# Altium PCB motherboard 2 layer try.PcbDoc (part 1 of 2) (continued)
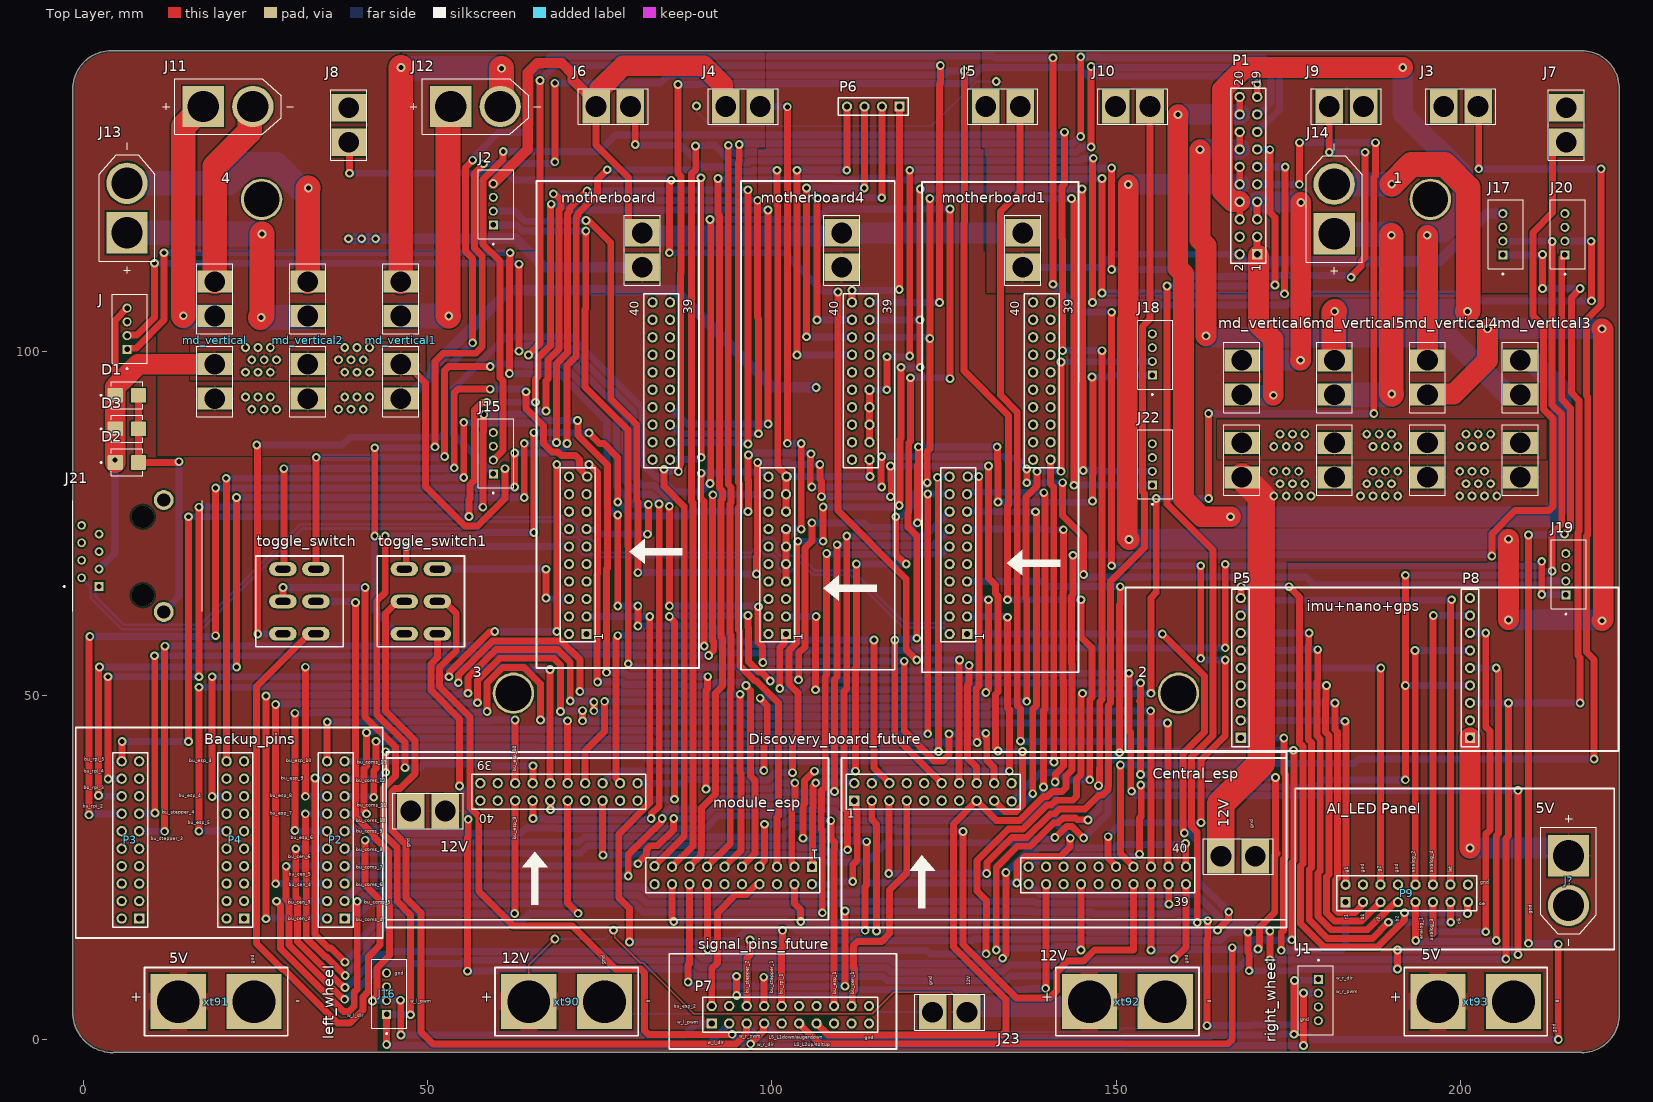
[diagram p0: Top Layer view]
## Nets (pads, with @x,y where several pads share a name; then routed paths per layer and width w, separated by ;. In a path a pad name is that pad's centre, name@x,y a point inside that pad or via, vN(x,y) a via of type N, cw(c..) or ccw(c..) an arc to the next point about the centre after c; other vN are vias at no path point) (continued)
NetJ8_1: Central_esp.14 J8.1 | length 171.6
  Top Layer w1: J8.1@38.506,130.373 38.608,130.271 v1(38.608,125.857) ; v1(85.09,114.3) 85.09,124.498 85.368,124.776 v1(85.368,124.849) ; v1(109.601,108.585) 109.601,76.835 119.507,66.929 119.507,56.65 v1(121.031,55.126) ; Central_esp.14@127.203,37.229 127.175,37.257 127.175,54.974 127.254,55.053 v1(127.254,55.126)
  Bottom Layer w1: v1(38.608,125.857) 61.484,125.857 62.492,124.849 v1(85.368,124.849) ; v1(85.09,114.3) 101.854,114.3 107.517,108.637 109.549,108.637 v1(109.601,108.585) ; v1(121.031,55.126) v1(127.254,55.126)
NetJ9_1: J9.1 motherboard4.23 motherboard4.25 motherboard4.27 motherboard4.29 | length 155.7
  Top Layer w1: motherboard4.23@114.174,86.779 motherboard4.25@114.174,89.319 motherboard4.27@114.174,91.859 motherboard4.29@114.174,94.399 ; v1(116.675,94.399) 116.694,94.418 116.694,99.168 v1(116.713,99.187) ; v1(120.015,99.314) v1(120.015,126.286) ; v1(149.352,111.887) v1(149.352,126.619) ; J9.1@180.953,135.547 180.975,135.525 v1(180.975,128.905) ; v1(184.15,110.744) 184.15,110.817 185.61,112.278 185.61,113.01 186.182,113.581 v1(186.182,128.905)
  Bottom Layer w1: motherboard4.29@114.174,94.399 v1(116.675,94.399) ; v1(116.713,99.187) 119.815,99.187 119.942,99.314 v1(120.015,99.314) ; v1(120.015,126.286) 120.067,126.338 120.568,126.338 120.602,126.372 146.563,126.372 146.81,126.619 v1(149.352,126.619) ; v1(149.352,111.887) 160.359,111.887 161.42,110.826 172.354,110.826 172.526,110.998 183.823,110.998 184.077,110.744 v1(184.15,110.744) ; v1(180.975,128.905) v1(186.182,128.905)
NetJ10_1: Central_esp.5 J10.1 | length 150.4
  Top Layer w1: v1(116.967,24.122) 117.005,24.16 117.005,34.651 Central_esp.5@117.043,34.689 ; v1(131.199,24.13) 131.251,24.182 131.251,25.714 134.868,29.331 137.016,29.331 140.473,32.788 141.074,32.788 141.782,33.496 145.51,33.496 147.501,35.487 148.022,35.487 148.835,36.3 148.835,36.821 148.881,36.867 148.881,48.549 149.209,48.877 149.209,66.527 154.146,71.464 154.146,79.302 153.862,79.586 153.862,103.609 154.924,104.671 J10.1@154.924,135.547
  Bottom Layer w1: v1(116.967,24.122) 116.971,24.126 131.195,24.126 v1(131.199,24.13)
NetJ11_N: J11.N md_vertical.4 | length 27.7
  Top Layer w3.597: md_vertical.4@19.05,110.109 19.05,126.873 24.115,131.938 24.115,135.087 J11.N@24.575,135.547
NetJ11_P: J11.P md_vertical.3 | length 35.8
  Top Layer w3.597: v1(14.478,105.156) 14.478,132.65 J11.P@17.375,135.547
  Bottom Layer w3.597: v1@14.859,105.029 18.97,105.029 md_vertical.3@19.05,105.109
NetJ12_N: J12.N md_vertical1.4 | length 51.2
  Top Layer w3.597: md_vertical1.4@46.05,110.109 46.05,141.173 v1(46.101,141.224) ; J12.N@60.521,135.547 60.706,135.732 v1(60.706,141.097)
  Bottom Layer w3.597: v1@46.228,141.097 v1(60.706,141.097)
NetJ12_P: J12.P md_vertical1.3 | length 37.6
  Top Layer w3.597: v1(53.039,105.109) 52.947,105.201 52.947,135.173 J12.P@53.321,135.547
  Bottom Layer w3.597: md_vertical1.3@46.05,105.109 v1(53.039,105.109)
NetJ13_N: J13.N md_vertical2.4 | length 42.5
  Top Layer w3.597: md_vertical2.4@32.55,110.109 32.55,123.609 v1(32.639,123.698)
  Bottom Layer w3.597: J13.N@6.299,124.395 21.042,124.395 23.764,127.118 27.95,127.118 31.369,123.698 v1(32.639,123.698)
NetJ13_P: J13.P md_vertical2.3 | length 38.7
  Top Layer w3.597: v1@25.654,104.91 25.908,105.164 v1(25.908,117.013)
  Bottom Layer w3.597: J13.P@6.299,117.195 16.613,117.195 16.795,117.012 v1(25.908,117.013) ; v1(25.781,104.902) 25.789,104.91 32.351,104.91 md_vertical2.3@32.55,105.109
NetJ14_N: J14.N md_vertical5.4 | length 66.4
  Top Layer w3.597: md_vertical5.4@181.61,98.878 181.61,105.638 v1(181.76,105.788) ; v1(190.057,124.268) 192.907,127.118 197.749,127.118 201.168,123.698 201.168,105.911 v1(201.044,105.788)
  Bottom Layer w3.597: J14.N@181.686,124.268 v1(190.057,124.268) v1@190.119,124.206 ; v1(181.76,105.788) v1(201.044,105.788)
NetJ14_P: J14.P md_vertical5.3 | length 39.8
  Top Layer w3.597: v1(189.992,116.84) 189.992,93.853 v1(190.055,93.789)
  Bottom Layer w3.597: J14.P@181.686,117.068 182.786,117.068 182.887,116.967 189.865,116.967 v1(189.992,116.84) ; md_vertical5.3@181.737,93.679 189.945,93.679 v1(190.055,93.789)
NetJ15_1: Central_esp.12 J15.1 | length 239.3
  Top Layer w1: v1(91.012,80.772) 91.064,80.824 91.064,81.653 91.113,81.702 91.113,118.952 91.012,119.053 v1(91.012,119.126) ; v1(117.856,58.039) 117.834,58.017 117.834,44.058 Central_esp.12@124.663,37.229 ; v1(120.142,96.139) 120.142,86.943 119.881,86.681 119.881,76.643 119.746,76.508 119.746,74.482 121.031,73.196 v1(121.031,58.293) ; v1(125.857,96.012) v1(125.857,120.65)
  Bottom Layer w1: J15.1@59.512,82.187 53.721,87.978 53.721,94.488 61.309,102.076 70.875,102.076 81.149,91.802 81.149,83.616 82.993,81.772 83.44,81.772 83.756,81.456 83.919,81.456 85.847,79.528 89.695,79.528 90.939,80.772 v1(91.012,80.772) ; v1(91.012,119.126) 106.515,119.126 108.039,120.65 v1@125.603,120.65 ; v1(117.856,58.039) 117.908,58.091 119.981,58.091 120.183,58.293 v1(121.031,58.293) ; v1(120.142,96.139) 125.657,96.139 125.784,96.012 v1(125.857,96.012)
NetJ15_2: Central_esp.27 J15.2 | length 287.8
  Top Layer w1: J15.2@59.512,84.187 59.512,84.196 60.92,85.604 60.92,95.715 60.46,96.175 60.46,113.077 58.008,115.529 58.008,124.974 60.908,127.874 60.908,128.98 v1(60.96,129.032) ; v1(132.588,13.005) 132.588,25.019 135.646,28.077 137.536,28.077 140.955,31.496 141.556,31.496 142.262,32.202 144.129,32.202 144.402,31.929 145.871,31.929 v1(145.923,31.877) ; v1(142.24,100.076) 142.24,116.305 142.121,116.424 142.121,123.902 142.494,124.275 v1(142.494,131.826) ; v1(144.907,13.013) 144.91,13.016 144.91,22.554 Central_esp.27@144.913,22.557 ; v1(147.446,36.876) 147.446,36.949 147.581,37.084 147.581,39.465 147.627,39.511 147.627,49.068 147.955,49.396 v1@147.955,99.822
  Bottom Layer w1: v1(60.96,129.032) 74.868,129.032 77.273,131.437 142.032,131.437 142.421,131.826 v1(142.494,131.826) ; v1(132.588,13.005) 132.661,13.005 132.915,13.259 140.993,13.259 141.263,13.529 144.318,13.529 144.834,13.013 v1(144.907,13.013) ; v1(142.24,100.076) v1(147.955,100.076) ; v1(145.923,31.877) 147.492,33.446 147.492,36.83 v1(147.446,36.876)
NetJ16_1: J16.1 P7.3 toggle_switch.2 | length 139.4
  Top Layer w1: toggle_switch.2@28.944,63.645 28.944,65.647 v1(28.956,65.659) ; v1(40.894,65.659) 40.894,46.865 45.28,42.479 45.28,38.248 44.729,37.697 44.707,37.697 43.531,36.521 43.531,29.857 45.561,27.827 45.561,20.043 47.498,18.106 v1(47.498,3.586) ; J16.1@44.006,3.658 44.012,3.652 44.012,-0.738 v1(44.018,-0.744) ; P7.3@93.79,2.298 P7.3@93.79,2.324
  Bottom Layer w1: v1(28.956,65.659) v1(40.894,65.659) ; J16.1@44.006,3.658 44.042,3.622 47.462,3.622 v1(47.498,3.586) ; v1(44.018,-0.744) 44.091,-0.744 44.236,-0.889 90.619,-0.889 93.79,2.282 P7.3@93.79,2.324
NetJ16_2: J16.2 P7.1 toggle_switch.5 | length 122
  Top Layer w1: v1(39.497,63.5) 39.497,32.42 42.277,29.64 42.277,29.338 44.307,27.308 44.307,19.524 44.442,19.389 44.442,12.217 42.598,10.373 42.598,6.327 41.947,5.676 v1(41.947,5.603) ; v1@46.05,5.701 46.067,5.683 46.067,0.679 v1(46.101,0.645) ; P7.1@91.169,2.405 P7.1@91.25,2.324
  Bottom Layer w1: toggle_switch.5@33.744,63.645 33.753,63.636 39.288,63.636 39.424,63.5 v1(39.497,63.5) ; v1(41.947,5.603) 41.975,5.631 43.978,5.631 44.065,5.717 v1(46.034,5.717) ; v1(46.101,0.645) 87.386,0.645 89.065,2.324 P7.1@91.25,2.324
NetJ17_1: Central_esp.21 J17.1 P8.3 | length 207.5
  Top Layer w1: v1(137.287,22.442) 137.293,22.448 Central_esp.21@137.293,22.557 ; v1(172.339,11.557) v1(172.339,15.748) ; v1(206.629,11.684) 206.629,29.211 207.01,29.592 v1(207.01,48.895) ; v1(211.963,109.093) v1(211.963,114.046) ; v1(217.424,48.895) 217.424,55.461 217.091,55.794 217.091,73.659 217.265,73.833 217.265,92.855 216.154,93.966 216.154,107.823 v1(217.424,109.093)
  Bottom Layer w1: v1(137.287,22.442) 137.306,22.461 137.524,22.461 138.932,21.053 161.7,21.053 165.743,17.01 169.875,17.01 171.085,15.8 172.287,15.8 v1(172.339,15.748) ; v1(172.339,11.557) 175.561,11.557 175.618,11.614 206.369,11.614 206.386,11.632 206.577,11.632 v1(206.629,11.684) ; P8.3@201.422,48.895 v1(217.424,48.895) ; J17.1@206.197,114.001 211.918,114.001 v1(211.963,114.046) ; v1(211.963,109.093) v1(217.424,109.093)
NetJ17_2: Central_esp.22 J17.2 P8.4 | length 183.1
  Top Layer w1: Central_esp.22@137.293,25.097 Central_esp.22@137.389,25.193 ; v1(153.416,26.924) 153.416,32.173 153.654,32.411 153.654,36.643 153.638,36.659 153.638,36.914 v1(153.587,36.966) ; v1(192.024,37.719) v1(192.024,67.445) ; v1(213.36,68.072) 213.36,73.592 214.757,74.989 214.757,90.805 213.36,92.202 v1(213.36,115.951)
  Bottom Layer w1: Central_esp.22@137.293,25.097 137.428,25.097 138.398,26.067 138.676,26.067 139.21,26.601 150.616,26.601 152.902,26.601 153.173,26.872 153.364,26.872 v1(153.416,26.924) ; v1(153.587,36.966) 163.554,36.966 163.839,36.681 179.027,36.681 180.065,37.719 v1(192.024,37.719) ; v1(192.024,51.435) P8.4@201.422,51.435 ; v1(192.024,67.445) 211.512,67.445 212.088,68.02 213.308,68.02 v1(213.36,68.072) ; J17.2@206.197,116.001 206.222,115.976 213.335,115.976 v1(213.36,115.951)
NetJ17_4: J17.4 J?.P motherboard1.pow+ motherboard.pow+ P1.2 P8.1 xt91.1 xt93.1 | length 197.8
  Top Layer w3: v1(201.422,27.813) P8.1@201.422,43.815
  Bottom Layer w0.254: v1(89.027,135.636) 89.05,135.613 89.05,134.769 91.152,132.666 123.133,132.666 129.659,139.192 v1(132.588,139.192)
  Bottom Layer w1: motherboard1.pow+@136.447,112.179 147.68,112.179 149.585,114.084 P1.2@167.958,114.084
  Bottom Layer w1.5: v1(38.481,116.332) 62.775,116.332 66.928,112.179 motherboard.pow+@81.153,112.179 ; P1.2@167.958,114.084 167.958,113.704 169.332,112.33 171.731,112.33 172.465,113.064 196.919,113.064 203.856,120.001 J17.4@206.197,120.001
  Bottom Layer w3: v1(201.422,27.813) 214.615,27.813 J?.P@215.741,26.687
  other v1: 40.386,116.332 42.418,116.332
NetJ18_1: J18.1 module_esp.32 | length 184.8
  Top Layer w1: module_esp.32@67.779,34.689 67.799,34.67 67.799,33.397 v1(67.818,33.377) ; v1(85.09,61.468) 85.09,61.395 85.852,60.633 v1(85.852,34.901) ; v1(96.52,61.595) 96.52,59.868 96.567,59.821 96.567,54.91 98.109,53.367 98.457,53.367 v1(99.749,52.075) ; v1(103.843,52.254) 103.886,52.297 103.886,56.139 104.8,57.053 104.8,71.399 105.823,72.422 105.823,75.025 v1(105.791,75.057) ; v1@121.158,75.08 121.135,75.103 121.135,83.471 121.27,83.606 v1(121.27,86.106) ; v1(132.715,86.106) 132.75,86.071 132.75,83.971 132.842,83.879 v1(132.842,78.105) ; v1(146.482,96.266) 146.482,96.193 146.617,96.058 146.617,82.102 146.558,82.042 v1(146.558,78.232)
  Bottom Layer w1: v1(67.818,33.377) 67.87,33.325 69.556,33.325 69.696,33.185 81.102,33.185 82.818,34.901 v1(85.852,34.901) ; v1(85.09,61.468) 85.163,61.468 85.29,61.595 v1(96.52,61.595) ; v1(99.749,52.075) 99.823,52.075 100.136,52.389 101.714,52.389 101.797,52.306 103.791,52.306 v1(103.843,52.254) ; v1(105.791,75.057) 113.352,75.057 113.987,74.422 120.427,74.422 121.062,75.057 v1(121.135,75.057) ; v1(121.27,86.106) v1(132.715,86.106) ; v1(132.842,78.105) 138.882,78.105 138.925,78.061 146.314,78.061 146.485,78.232 v1(146.558,78.232) ; v1(146.482,96.266) 148.877,96.266 149.117,96.507 J18.1@155.27,96.507
NetJ18_2: J18.2 module_esp.27 | length 142
  Top Layer w1: module_esp.27@72.859,37.229 72.859,41.904 75.692,44.737 v1(75.692,49.123) ; v1(137.025,49.123) 137.025,63.927 136.89,64.062 136.89,78.792 138.414,80.316 138.414,80.328 138.501,80.415 138.501,82.539 v1(138.512,82.55) ; v1(141.986,82.55) 141.991,82.555 141.991,98.42 v1(141.986,98.425)
  Bottom Layer w1: v1(75.692,49.123) 75.729,49.086 86.116,49.086 86.426,48.776 96.739,48.776 97.215,48.3 97.612,48.3 97.747,48.165 109.173,48.165 109.284,48.276 118.629,48.276 118.74,48.387 131.377,48.387 132.114,49.123 v1(137.025,49.123) ; v1(138.512,82.55) v1(141.986,82.55) ; v1(141.986,98.425) 142.027,98.466 155.229,98.466 J18.2@155.27,98.507
NetJ19_1: J19.1 module_esp.23 | length 178.2
  Top Layer w1: v1(77.597,58.674) 77.597,58.601 77.343,58.347 77.343,37.96 77.939,37.364 module_esp.23@77.939,37.229 ; v1(165.862,56.896) v1(165.862,69.049) ; v1(211.836,64.643) v1(211.836,69.469)
  Bottom Layer w1: v1(77.597,58.674) 90.932,58.674 93.455,56.151 102.228,56.151 103.624,56.151 103.988,56.515 120.788,56.515 121.169,56.896 v1(165.862,56.896) ; v1(165.862,69.049) 165.935,69.049 166.15,68.834 211.128,68.834 211.763,69.469 v1(211.836,69.469) ; v1(211.836,64.643) 211.858,64.621 215.319,64.621 J19.1@215.341,64.598
NetJ19_2: J19.2 module_esp.33 | length 285.4
  Top Layer w1: v1(43.815,73.16) 43.815,64.944 42.576,63.705 42.576,47.218 46.669,43.125 v1(46.669,39.497) ; module_esp.33@65.239,37.229 65.256,37.246 65.256,39.742 v1(65.274,39.759) ; v1@65.405,73.733 v1(65.405,88.162) ; v1(73.403,88.138) 74.947,86.594 75.585,86.594 77.589,84.59 v1(77.589,78.105) ; v1(96.528,76.708) 96.567,76.747 96.567,81.263 96.528,81.302 96.528,84.865 v1(96.578,84.915) ; v1(105.664,85.09) 105.612,85.038 105.612,84.171 105.571,84.13 105.571,80.557 v1@105.739,80.389 ; v1(115.951,80.264) 115.951,80.337 115.849,80.439 115.849,83.887 115.899,83.938 115.899,84.657 v1(115.951,84.709) ; v1(137.025,80.891) v1(137.025,82.884) ; v1(142.24,80.899) 142.24,76.118 145.288,73.07 v1(145.288,67.564)
  Bottom Layer w1: v1(43.815,73.16) 56.905,73.16 57.405,73.66 v1(65.405,73.66) ; v1(46.669,39.497) 46.721,39.445 48.843,39.445 49.403,40.005 57.604,40.005 57.849,39.759 v1(65.274,39.759) ; v1(65.405,88.162) 69.785,88.162 69.888,88.265 70.015,88.138 v1(73.403,88.138) ; v1(77.589,78.105) 77.64,78.105 79.664,76.081 87.689,76.081 88.317,76.708 v1(96.528,76.708) ; v1(96.578,84.915) 96.63,84.967 97.108,84.967 97.342,85.201 105.48,85.201 105.591,85.09 v1(105.664,85.09) ; v1(105.791,80.264) v1(115.951,80.264) ; v1(115.951,84.709) 115.959,84.701 133.687,84.701 133.933,84.455 135.454,84.455 v1(137.025,82.884) ; v1(137.025,80.891) 137.029,80.895 142.236,80.895 v1(142.24,80.899) ; v1(145.288,67.564) 145.361,67.564 145.742,67.183 177.601,67.183 178.728,66.056 211.897,66.056 212.439,66.598 J19.2@215.341,66.598
NetJ20_1: J20.1 module_esp.16 | length 293.4
  Top Layer w1: v1(87.825,8.356) 87.825,10.796 88.02,10.991 88.02,22.548 module_esp.16@88.029,22.557 ; v1(110.617,7.747) v1(110.617,18.661) ; v1(163.217,2.008) 163.217,14.551 163.312,14.646 v1(163.312,17.264) ; v1(209.931,13.97) v1(209.931,73.279) ; v1(214.249,0) v1(214.249,13.843) ; v1(215.138,73.406) 215.138,73.479 216.011,74.352 216.011,91.71 214.757,92.964 214.757,113.544 J20.1@215.214,114.001
  Bottom Layer w1: v1(87.825,8.356) 87.898,8.356 88.459,7.795 97.349,7.795 97.476,7.668 107.895,7.668 107.974,7.747 v1(110.617,7.747) ; v1(110.617,18.661) 137.777,18.661 137.893,18.545 146.469,18.545 146.739,18.275 158.258,18.275 158.509,18.526 162.246,18.526 163.26,17.512 163.26,17.316 v1(163.312,17.264) ; v1(163.217,2.008) 169.821,2.008 169.956,2.143 176.487,2.143 178.63,0 v1(214.249,0) ; v1(209.931,13.97) v1@214.049,13.97 ; v1(209.931,73.279) 214.938,73.279 215.065,73.406 v1(215.138,73.406)
NetJ20_2: J20.2 module_esp.17 | length 272.8
  Top Layer w1: module_esp.17@85.489,25.097 88.503,28.111 88.503,77.989 88.308,78.185 88.308,125.784 88.93,126.406 88.93,129.772 v1(88.9,129.802) ; v1(146.558,107.061) 146.558,127.826 146.694,127.962 v1(146.694,128.035) ; v1(219.024,115.969) 219.049,115.944 219.049,107.341 v1(219.075,107.315)
  Bottom Layer w1: v1(88.9,129.802) 88.952,129.854 90.535,129.854 90.619,129.937 91.619,129.937 94.151,127.405 96.554,127.405 96.824,127.675 144.796,127.675 145.104,127.983 146.643,127.983 v1(146.694,128.035) ; v1(146.558,107.061) 155.957,107.061 156.306,106.712 174.843,106.712 176.472,108.34 202.102,108.34 203.127,107.315 v1(219.075,107.315) ; J20.2@215.214,116.001 215.23,115.985 219.008,115.985 v1(219.024,115.969)
NetJ22_1: J22.1 module_esp.18 motherboard4.35 | length 249.4
  Top Layer w1: module_esp.18@85.489,22.557 85.489,17.454 85.725,17.218 v1(85.725,17.145) ; v1(104.521,29.244) 104.521,34.017 104.716,34.212 104.716,37.601 106.104,38.989 v1(106.172,38.989) ; v1(112.141,38.989) 112.141,53.953 112.26,54.072 v1(112.26,69.088) ; v1(113.538,15.859) 113.538,22.188 113.758,22.408 v1(113.758,28.738) ; v1(117.983,75.946) 117.983,70.485 v1@119.253,69.215 ; v1@122.555,80.655 v1(122.555,80.899) 122.555,85.427 122.936,85.808 v1(122.936,101.854) v1(122.936,122.174) ; v1(143.51,122.174) 143.51,122.101 143.839,121.772 143.839,80.57 v1(143.891,80.518)
  Bottom Layer w1: v1(85.725,17.145) 85.798,17.145 85.944,17.291 102.072,17.291 103.607,15.756 110.821,15.756 111.059,15.994 113.33,15.994 113.465,15.859 v1(113.538,15.859) ; v1(104.521,29.244) 104.594,29.244 104.729,29.109 107.91,29.109 108.047,28.972 111.573,28.972 111.756,28.789 113.706,28.789 v1(113.758,28.738) ; v1(106.172,38.989) v1(112.141,38.989) ; v1(112.26,69.088) v1(119.507,69.088) ; motherboard4.35@114.174,102.019 122.698,102.019 122.863,101.854 v1(122.936,101.854) ; v1(117.983,75.946) 118.035,75.998 118.857,75.998 120.561,77.702 120.561,79.161 122.056,80.655 122.238,80.655 122.482,80.899 v1(122.555,80.899) ; v1(122.936,122.174) v1(143.51,122.174) ; v1(143.891,80.518) 143.908,80.535 155.253,80.535 J22.1@155.27,80.552
NetJ22_2: J22.2 module_esp.21 motherboard4.37 | length 209.1
  Top Layer w1: v1(102.997,38.77) 102.997,43.511 103.759,44.273 103.759,50.373 102.454,51.679 102.454,56.48 103.546,57.572 103.546,69.692 103.546,71.986 103.707,72.147 103.707,72.338 v1(103.759,72.39) ; v1(107.442,72.39) v1(107.442,77.364) ; v1(118.492,77.597) 118.543,77.649 118.543,78.208 118.627,78.292 118.627,87.201 118.745,87.319 v1(118.745,97.663) ; v1@121.501,123.736 v1(121.501,104.559) 121.52,104.54 121.52,97.682 v1(121.539,97.663) ; v1(145.034,123.571) 145.086,123.519 145.086,122.299 145.093,122.291 145.093,95.691 145.228,95.556 v1(145.228,82.677)
  Bottom Layer w1: module_esp.21@80.479,37.229 86.949,37.229 87.502,37.782 93.837,37.782 93.939,37.68 99.401,37.68 100.491,38.77 v1(102.997,38.77) ; v1(103.759,72.39) v1(107.442,72.39) ; v1(107.442,77.364) 117.374,77.364 117.488,77.478 117.813,77.478 117.881,77.545 118.44,77.545 v1(118.492,77.597) ; motherboard4.37@114.174,104.559 v1(121.501,104.559) v1@121.539,104.521 ; v1(118.745,97.663) v1(121.539,97.663) ; v1(121.539,123.571) v1(145.034,123.571) ; v1(145.228,82.677) 147.739,82.677 147.863,82.552 J22.2@155.27,82.552
NetJ23_1: Central_esp.pow+ J23.1 md_vertical1.1 md_vertical2.1 md_vertical3.1 md_vertical4.1 md_vertical5.1 md_vertical6.1 md_vertical.1 module_esp.pow+ motherboard4.pow+ xt90.1 xt92.1 | length 230
  Top Layer w0.254: xt90.1@64.668,5.499 64.668,10.82 v1(68.453,14.605) ; v1(76.962,15.875) 77.155,15.682 77.155,14.859 80.88,11.134 81.264,11.134 88.665,3.733 114.578,3.733 117.701,6.856 125.953,6.856 128.334,4.475 J23.1@128.334,3.975
  Top Layer w4: Central_esp.pow+@165.233,26.597 165.233,34.231 171.101,40.099 171.101,78.915 168.337,81.679 md_vertical6.1@168.237,81.679
  Bottom Layer w0.254: v1(68.453,14.605) 75.692,14.605 v1(76.962,15.875)
  Bottom Layer w1.5: md_vertical1.1@46.05,93.109 46.95,93.109 50.947,97.106 50.947,97.969 61.831,108.853 85.92,108.853 100.031,94.742 v1(106.426,94.742)
  Bottom Layer w3: J23.1@128.334,3.975 128.334,4.237 128.834,4.737 145.375,4.737 xt92.1@146.137,5.499
  other v1: 172.923,78.948 174.723,78.948 176.523,78.948 178.323,78.948 185.523,78.948 187.323,78.948 189.123,78.948 190.923,78.948 199.923,78.948 201.723,78.948 203.523,78.948 205.323,78.948 173.823,80.748 175.623,80.748 177.423,80.748 186.423,80.748 188.223,80.748 190.023,80.748 200.823,80.748 202.623,80.748 204.423,80.748 172.923,82.548 174.723,82.548 176.523,82.548 187.323,82.548 189.123,82.548 190.923,82.548 199.923,82.548 201.723,82.548 203.523,82.548 24.423,91.548 26.223,91.548 28.023,91.548 37.023,91.548 38.823,91.548 40.623,91.548 23.523,93.348 25.323,93.348 27.123,93.348 37.923,93.348 39.723,93.348 41.523,93.348
NetJ_1: Central_esp.6 J.1 | length 192.4
  Top Layer w1: J.1@6.299,100.269 6.453,100.423 7.581,100.423 11.684,104.526 v1(11.684,114.3) ; v1(61.849,96.75) 61.841,96.758 61.841,113.208 61.916,113.284 61.916,114.248 v1(61.968,114.3) ; v1(77.589,62.992) v1(77.589,76.192) ; v1(80.518,60.07) v1(80.518,62.992) ; v1(114.816,58.039) 114.816,39.456 Central_esp.6@117.043,37.229
  Bottom Layer w1: v1(11.684,114.3) v1(61.968,114.3) ; v1(61.849,96.75) 69.107,96.75 76.046,89.811 76.046,77.549 76.644,76.951 76.757,76.951 77.516,76.192 v1(77.589,76.192) ; v1(77.589,62.992) v1@80.264,62.992 ; v1(80.518,60.07) v1(80.518,60.07) 91.424,60.071 93.726,57.769 96.743,57.769 97.107,57.405 101.709,57.405 103.104,57.405 103.738,58.039 v1(114.816,58.039)
NetJ_2: Central_esp.18 J.2 | length 208.2
  Top Layer w1: J.2@6.299,102.269 6.358,102.328 7.713,102.328 10.287,104.902 v1(10.287,112.776) ; v1(63.23,100.003) 63.238,100.011 63.238,112.641 v1(63.246,112.649) ; v1(85.09,62.992) v1(85.09,77.47) ; v1(98.044,62.865) 97.998,62.819 97.998,57.761 98.627,57.132 98.627,54.814 v1(98.679,54.762) ; v1(119.223,54.969) 119.223,44.805 123.605,40.424 124.755,40.424 125.73,41.399 v1(125.73,44.403) ; v1(131.072,44.49) 131.124,44.438 131.124,43.808 131.207,43.724 131.207,40.586 132.283,39.51 Central_esp.18@132.283,37.229
  Bottom Layer w1: v1(10.287,112.776) 63.046,112.776 63.173,112.649 v1(63.246,112.649) ; v1(63.23,100.003) 63.249,100.003 64.068,100.822 70.356,100.822 79.895,91.283 79.895,81.776 81.153,80.518 82.92,80.518 83.236,80.202 83.302,80.202 85.038,78.465 85.038,77.522 v1(85.09,77.47) ; v1(85.09,62.992) 97.844,62.992 97.971,62.865 v1(98.044,62.865) ; v1(98.679,54.762) 98.731,54.814 98.922,54.814 99.005,54.897 102.748,54.897 107.761,54.897 107.833,54.969 v1(119.223,54.969) ; v1(125.73,44.403) 128.308,44.403 128.443,44.538 131.024,44.538 v1(131.072,44.49)
Netmd_vertical3_3: md_vertical3.3 P1.14 P1.16 | length 84.9
  Top Layer w1: P1.14@167.958,129.324 P1.16@167.958,131.864
  Top Layer w3: v1(162.2,129.286) 162.2,116.194 163.068,115.326 v1(163.068,102.235)
  Bottom Layer w3: v1(162.2,129.286) 162.238,129.324 P1.14@167.958,129.324 ; v1(163.068,102.235) 163.27,102.033 198.464,102.033 206.718,93.779 208.637,93.779 md_vertical3.3@208.737,93.679
Netmd_vertical3_4: md_vertical3.4 P1.18 P1.20 | length 148.7
  Top Layer w1: P1.18@167.958,134.404 P1.20@167.958,136.944
  Top Layer w3: v1(159.004,134.366) 158.946,134.308 158.946,112.064 159.79,111.22 159.79,78.568 162.412,75.946 v1(166.617,75.946)
  Bottom Layer w3: v1(159.004,134.366) 159.042,134.404 P1.18@167.958,134.404 ; v1(166.617,75.946) 212.873,75.946 214.63,77.703 214.63,94.367 210.418,98.579 208.837,98.579 md_vertical3.4@208.737,98.679
Netmd_vertical4_3: md_vertical4.3 P1.10 P1.12 | length 225.6
  Top Layer w1: P1.10@167.958,124.244 P1.12@167.958,126.784
  Top Layer w3: v1(151.765,124.206) 151.765,104.699 151.608,104.542 151.608,72.928 v1(151.892,72.644) ; md_vertical4.3@195.237,93.679 195.337,93.779 199.062,93.779 203.962,98.679 v1(203.962,103.251) ; v1(207.01,60.96) v1(207.01,72.692) ; v1(220.599,60.833) 220.773,61.007 220.773,103.077 v1(220.599,103.251)
  Bottom Layer w3: v1(151.765,124.206) 151.803,124.244 P1.10@167.958,124.244 ; v1(151.892,72.644) 151.94,72.692 v1(207.01,72.692) ; v1(203.962,103.251) v1(220.599,103.251) ; v1(207.01,60.96) v1@220.726,60.96
Netmd_vertical4_4: md_vertical4.4 P1.6 P1.8 | length 97.5
  Top Layer w1: P1.6@167.958,119.164 P1.8@167.958,121.704
  Top Layer w3: P1.8@167.958,121.704 167.922,121.74 166.921,121.74 165.454,123.207 165.454,137.981 168.697,141.224 v1(191.643,141.224) ; v1(195.199,116.84) 195.237,116.802 md_vertical4.4@195.237,98.679
  Bottom Layer w3: v1(191.643,141.224) 191.643,134.513 200.41,125.746 200.41,120.096 197.625,117.311 195.67,117.311 v1(195.199,116.84)
Netmd_vertical6_3: md_vertical6.3 P1.1 P1.3 | length 28.4
  Top Layer w1: P1.1@170.498,114.084 P1.3@170.498,116.624
  Top Layer w3: P1.1@170.688,113.894 170.688,103.886 172.847,101.727 v1(172.847,93.599)
  Bottom Layer w3: md_vertical6.3@168.237,93.679 169.157,93.679 169.237,93.599 v1(172.847,93.599)
Netmd_vertical6_4: md_vertical6.4 P1.5 P1.7 | length 40.4
  Top Layer w1: P1.5@170.498,119.164 P1.7@170.498,121.704
  Top Layer w3: v1(176.784,98.679) 176.846,98.741 v1(176.846,121.604)
  Bottom Layer w3: md_vertical6.4@168.237,98.679 v1(176.784,98.679) ; P1.7@170.498,121.704 170.534,121.668 176.782,121.668 v1(176.846,121.604)
Netmotherboard1_1: Central_esp.3 motherboard1.1 | length 148.3
  Top Layer w1: Central_esp.3@114.503,34.689 114.503,31.937 115.189,31.251 v1(115.189,15.748) ; v1(156.718,58.928) 162.834,52.812 162.834,44.673 159.701,41.54 159.701,30.287 159.912,30.077 v1(159.912,30.004) ; v1(164.719,15.875) 166.318,17.474 166.318,18.49 v1(166.37,18.542)
  Bottom Layer w1: v1(115.189,15.748) 128.434,15.748 128.578,15.892 139.766,15.892 139.911,16.037 145.43,16.037 145.7,15.767 145.891,15.767 146.037,15.621 162.373,15.621 162.584,15.832 164.676,15.832 v1(164.719,15.875) ; motherboard1.1@128.355,58.909 128.364,58.919 156.709,58.919 v1(156.718,58.928) ; v1(159.912,30.004) 159.955,30.047 160.58,30.047 161.925,28.702 161.925,22.987 v1(166.37,18.542)
Netmotherboard1_3: Central_esp.4 motherboard1.3 | length 49.3
  Top Layer w1: v1(134.239,61.341) 134.239,48.172 134.493,47.918 v1(134.493,38.989)
  Bottom Layer w1: Central_esp.4@114.503,37.229 116.478,39.204 125.341,39.204 125.556,38.989 v1(134.493,38.989) ; motherboard1.3@128.355,61.449 134.058,61.449 134.166,61.341 v1(134.239,61.341)
Netmotherboard1_5: module_esp.25 motherboard1.5 | length 85.4
  Top Layer w1: module_esp.25@75.399,37.229 module_esp.25@75.419,37.249 ; v1(98.29,49.586) 98.29,49.513 99.314,48.489 99.314,44.06 98.825,43.571 v1(98.825,39.069) ; v1(131.072,50.419) 131.072,50.492 131.445,50.865 v1(131.445,63.881)
  Bottom Layer w1: module_esp.25@75.399,37.229 77.206,39.036 94.357,39.036 94.403,38.989 94.483,39.069 v1(98.825,39.069) ; v1(98.29,49.586) 100.975,49.586 101.143,49.419 108.654,49.419 108.765,49.53 118.109,49.53 118.22,49.641 130.221,49.641 130.999,50.419 v1(131.072,50.419) ; motherboard1.5@128.355,63.989 128.576,63.989 128.586,63.999 131.254,63.999 131.372,63.881 v1(131.445,63.881)
Netmotherboard1_7: module_esp.26 motherboard1.7 | length 142.5
  Top Layer w1: module_esp.26@75.399,34.689 75.399,26.819 v1(75.438,26.78) ; v1(141.097,29.337) 141.17,29.337 142.781,30.948 143.609,30.948 v1(145.288,29.269) v1@145.288,29.21 ; v1(150.495,41.656) 150.495,63.159 150.598,63.262 v1(150.598,65.794)
  Bottom Layer w1: v1(75.438,26.78) 79.808,26.78 79.943,26.915 103.112,26.915 103.426,26.601 106.871,26.601 107.659,25.813 113.824,25.813 116.586,28.575 137.637,28.575 138.171,29.109 140.796,29.109 141.024,29.337 v1(141.097,29.337) ; motherboard1.7@128.355,66.529 139.219,66.529 139.954,65.794 v1(150.598,65.794) ; v1(145.288,29.269) 148.835,32.817 148.835,40.056 150.436,41.656 v1(150.495,41.656)
Netmotherboard1_9: motherboard1.9
Netmotherboard1_10: motherboard1.10
Netmotherboard1_11: motherboard1.11
Netmotherboard1_12: motherboard1.12 P2.1 | length 141.8
  Top Layer w1: v1(107.315,18.41) 107.315,30.323 107.166,30.473 107.166,33.114 107.224,33.173 107.224,36.146 107.751,36.673 107.751,52.777 107.95,52.976 v1(107.95,70.612)
  Bottom Layer w1: P2.1@37.91,17.564 38.16,17.814 39.531,17.814 41.434,19.717 80.115,19.717 81.287,18.545 104.637,18.545 104.772,18.41 v1(107.315,18.41) ; v1(107.95,70.612) 108.023,70.612 108.142,70.493 124.564,70.493 125.68,71.609 motherboard1.12@125.815,71.609
Netmotherboard1_13: motherboard1.13 P2.3 | length 172.9
  Top Layer w1: v1(135.565,22.725) 135.565,25.496 136.67,26.601 141.917,26.601 143.297,27.981 143.297,29.192 v1(143.349,29.244) ; v1(141.149,37.393) 141.2,37.445 141.2,38.584 142.351,39.735 142.351,52.312 142.264,52.399 142.264,64.976 142.335,65.047 v1(142.335,74.059)
  Bottom Layer w1: P2.3@37.91,20.104 37.91,20.189 39.946,22.225 81.154,22.225 82.326,21.053 109.076,21.053 109.327,21.304 112.437,21.304 113.858,22.725 v1(135.565,22.725) ; motherboard1.13@128.355,74.149 128.567,74.149 128.586,74.168 139.589,74.168 139.697,74.059 v1(142.335,74.059) ; v1(141.149,37.393) 141.097,37.341 141.097,31.496 v1(143.349,29.244)
Netmotherboard1_14: motherboard1.14 P2.5 | length 132.4
  Top Layer w1: v1(79.121,23.749) 79.121,26.856 81.546,29.282 81.575,29.282 83.992,31.699 83.992,32.071 v1(84.044,32.123) ; v1(109.07,36.028) 109.07,52.323 109.474,52.726 v1(109.474,71.882)
  Bottom Layer w1: P2.5@37.91,22.644 39.142,23.876 59.88,23.876 60.007,23.749 v1(79.121,23.749) ; v1(84.044,32.123) 84.044,32.196 84.336,32.488 84.336,32.698 85.15,33.512 89.612,33.512 91.12,35.02 97.167,35.02 97.319,35.172 100.439,35.172 101.161,35.893 106.937,35.893 107.02,35.976 109.018,35.976 v1(109.07,36.028) ; v1(109.474,71.882) 109.526,71.83 109.847,71.83 109.915,71.763 123.429,71.763 motherboard1.14@125.815,74.149